# KiCad board DFTBoard.kicad_pcb (continued)
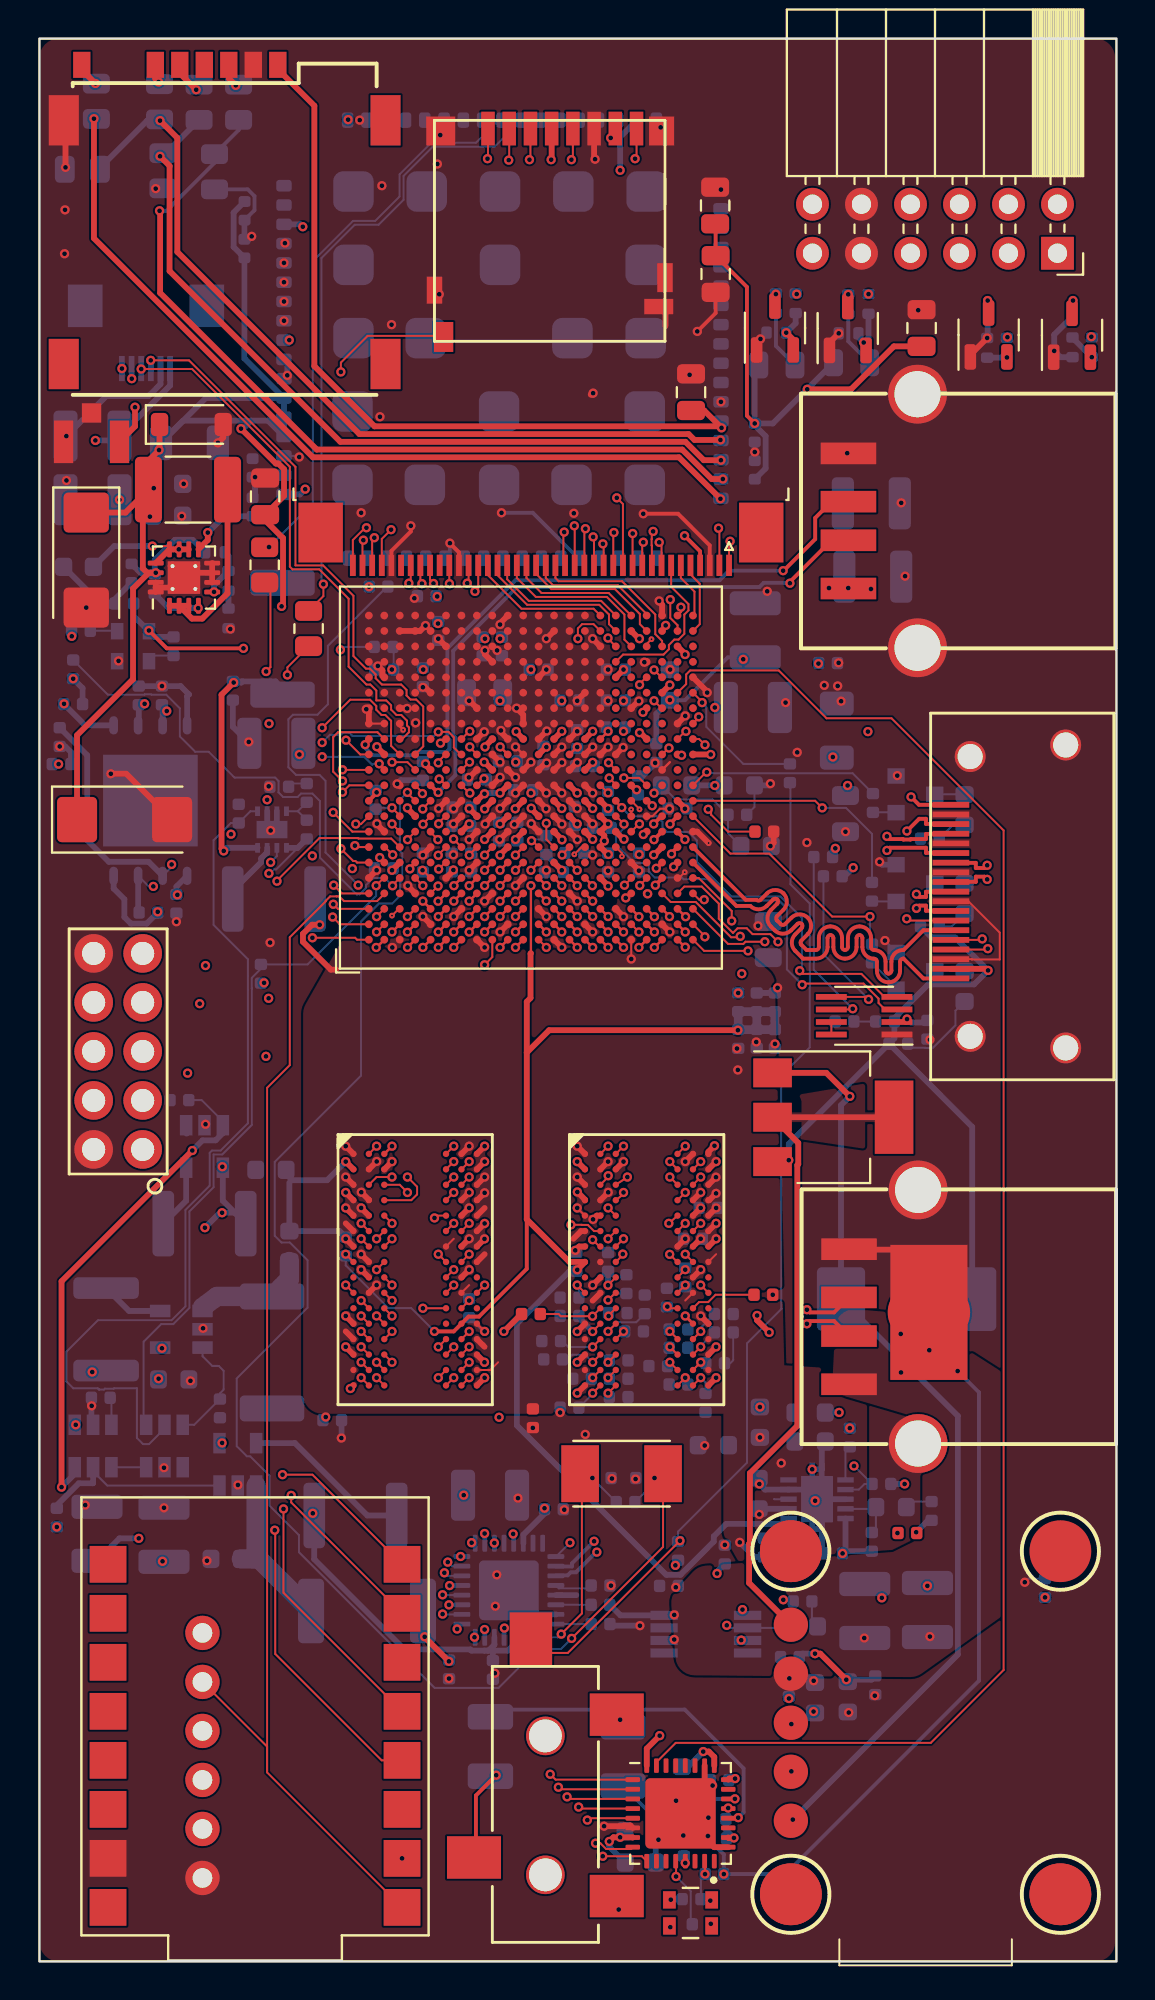
[diagram p0: board, top side]
## Routing (per net, layer and track width the routed paths; a pad name or vN(x,y) marks a point on that pad's centre or on a via; arc(x,y) is an arc through that point) (continued)
HPCOM_N: length 17.2
  TOP_GND w0.2: U9.20 36.19,7.42 v1(36.22,7.45)
  BOTTOM w0.2: v1(36.22,7.45) 36.5,7.73 36.5,10 33.45,13.05 23.75,13.05
HPCOM_P: length 6.9
  TOP_GND w0.2: U9.22 36.05,8.42 v1(36.05,8.43)
  BOTTOM w0.2: C49.1 31.49,7.85 33.7,7.85 34.28,8.43 v1(36.05,8.43)
HS: length 33.1
  TOP_GND w0.102: v1(20.43,71.41) 20.25,71.59 20.25,72.35 ; v3(30.19,57.27) 30.19,57.43 U20.U7
  GND0 w0.102: v3(30.19,57.27) 30.19,56.85 30.72,56.32 30.72,55.58 31.38,54.92 32.35,54.92 34.27,56.85 34.27,61.39 34.22,61.45 34.21,61.46 34.21,61.46 34.2,61.47 34.2,61.8 34.26,61.86 34.26,62.37 31.47,65.17 31.47,65.48 31.24,65.71 30.99,65.71 30.77,65.93 23.47,65.93 21.23,68.18 21.23,69.33 20.23,70.33 20.23,71.21 v1(20.43,71.41)
I2C5_HDMI_SCLK: length 19.8
  TOP_GND w0.102: v1(48.87,52.99) 48.82,52.94 J9.15 ; v1(42.16,49.37) 42.12,49.34 U21.6
  SIGNAL1 w0.102: v1(42.16,49.37) 42.16,49.59 45.5,52.94 48.81,52.94 v1(48.87,52.99)
  BOTTOM w0.102: v1(42.16,49.37) 40.14,51.39 R83.2
I2C5_HDMI_SDA: length 18.5
  TOP_GND w0.102: v1(49.16,52.49) 49.11,52.44 J9.16 ; U21.5 42.85,49.99 v1(42.98,49.86)
  SIGNAL1 w0.102: v1(49.16,52.49) 45.86,52.49 43.23,49.86 v1(42.98,49.86)
  BOTTOM w0.102: v1(42.98,49.86) 42.98,49.86 40.64,52.2 R82.2
I2C33_HDMI_SCLK: length 21.5
  TOP_GND w0.102: 29.89,59.35 v1(30.3,58.94) ; 43.83,49.34 43.5,49.67 43.5,49.89 42.72,50.68 39.6,50.68 v1(39.54,50.62)
  BOTTOM w0.102: v1(39.54,50.62) 38.74,51.41 38.74,54.57 38.33,54.99 35.73,54.99 34.63,56.08 33.39,56.08 33.3,56.17 31.9,56.17 31.58,56.49 31.58,56.81 31.47,56.93 30.84,56.93 29.89,57.88 29.89,58.3 30.3,58.72 v1(30.3,58.94)
I2C33_HDMI_SDA: length 20.7
  TOP_GND w0.102: 43.8,49.99 42.6,51.18 39.57,51.18 v1(39.41,51.34) ; 29.88,60.1 v1(30.18,59.8)
  BOTTOM w0.102: v1(30.18,59.8) 30.64,59.34 32,59.34 32.29,59.05 32.29,58.78 32.54,58.53 33.64,58.53 34.08,58.1 34.08,56.98 35.87,55.19 38.41,55.19 39.52,54.08 39.52,51.46 v1(39.41,51.34)
I2C33_SCLK: length 104.2
  TOP_GND w0.102: v1(18.3,55.75) 18.3,55.78 U20.C5 ; v1(28.83,6.12) 29.07,6.12 29.37,5.82 30.66,5.82 30.75,5.92
  SIGNAL2 w0.102: v1(28.83,6.12) 29.3,6.6 29.45,6.6 34.78,11.93 34.78,12.29 37.93,15.44 37.93,22.15 40.45,24.67 40.45,48.83 38.42,50.85 37.39,50.85 33.7,54.54 30.16,54.54 29.93,54.78 29.93,55.84 29.64,56.12 29.22,56.12 29.08,56.27 29.08,57.5 28.84,57.73 26.91,57.73 26.86,57.69 25.34,57.69 25.3,57.73 22.11,57.73 21.89,57.5 21.89,56.73 21.88,56.73 21.88,56.39 21.64,56.15 18.7,56.15 v1(18.3,55.75)
  BOTTOM w0.102: v1(18.3,55.75) 17.91,56.14 17.29,56.14 16.93,55.77 16.93,55.62 16.6,55.3 16.44,55.3 14.54,57.21 14.54,60.14 14.15,60.52 13.56,60.52 13.38,60.35 12.63,60.35 12.39,60.58 12.39,61.18 12.22,61.35 10.11,61.35 8.78,62.69 8.08,62.69 7.28,63.49 7.28,64.94 6.57,65.65 5.81,65.65 5.79,65.67 5.46,65.67 5.44,65.65 3.55,65.65 R103.2
I2C33_SDA: length 87.6
  TOP_GND w0.102: v1(15.63,57.67) 16.27,57.03 16.38,57.03 16.46,56.95 U20.A6 ; v1(29.2,5.45) 31.22,5.45 U9.9
  SIGNAL2 w0.102: 40.65,21.8 38.95,20.1 38.95,15.35 34.8,11.2 34.8,9.58 30.68,5.45 v1(29.2,5.45) ; 40.65,21.8 40.65,48.95 38.53,51.08 37.47,51.08 36.57,51.98 36.57,51.98 36.34,52.21 36.34,52.21 33.81,54.74 31.53,54.74 30.72,55.55 30.72,56.08 29.93,56.88 29.93,57.98 29.34,58.56 27.9,58.56 27.88,58.53 24.45,58.53 24.43,58.55 21.64,58.55 21.63,58.56 21.3,58.56 21.28,58.54 16.5,58.54 v1(15.63,57.67) ; 40.65,21.8 41.05,22.2 v1(44.47,22.2)
I2S_ADCSD: length 79.7
  TOP_GND w0.102: v1(28.4,7.33) 28.5,7.42 30.75,7.42 ; U20.AB15 34.18,64.45 v1(34.18,64.5)
  SIGNAL4 w0.102: v1(34.18,64.5) 42.9,64.5 47.15,60.25 47.15,49.31 43.87,46.03 43.87,45.2 43.62,44.95 43.62,20.65 35.5,12.52 35.01,12.52 34.78,12.29 34.78,11.81 30.38,7.4 28.48,7.4 v1(28.4,7.33)
I2S_BCLK: length 78.2
  TOP_GND w0.102: U20.AA13 33.24,62.55 v1(33.28,62.51) ; v1(26.9,9.03) 27.01,8.92 30.75,8.92
  SIGNAL4 w0.102: v1(33.28,62.51) 33.77,62.03 34.43,62.03 34.43,62.03 34.75,62.03 34.76,62.03 41.39,62.03 44.57,58.84 44.57,58.42 44.8,58.19 44.95,58.19 46.4,56.74 46.4,49.43 42.82,45.84 42.82,20.71 35.25,13.13 34.76,13.13 30.65,9.03 v1(26.9,9.03)
I2S_DACSD: length 78.8
  TOP_GND w0.102: v1(27.95,8) 28.03,7.92 30.75,7.92 ; U20.AA14 33.47,63.75 v1(33.51,63.75)
  SIGNAL4 w0.102: v1(33.51,63.75) 33.71,63.55 41.3,63.55 46.81,58.04 46.81,49.26 43.22,45.68 43.22,20.54 35.42,12.73 34.93,12.73 34.58,12.38 34.58,11.89 30.69,8 v1(27.95,8)
I2S_LRCLK: length 77.9
  TOP_GND w0.102: 30.75,8.42 27.46,8.42 v1(27.35,8.53) ; v1(34.5,63.05) 34.2,63.35 U20.AB14
  SIGNAL4 w0.102: v1(34.5,63.05) 34.5,63.05 41.05,63.05 46.61,57.49 46.61,49.35 43.02,45.76 43.02,20.62 35.33,12.93 34.85,12.93 34.38,12.46 34.38,11.98 30.93,8.53 v1(27.35,8.53)
I2S_MCLK: length 79
  TOP_GND w0.102: v1(32.63,62.88) 32.61,62.88 U20.Y13 ; v1(26.48,9.7) 26.76,9.42 30.75,9.42
  SIGNAL4 w0.102: v1(26.48,9.7) 30.11,13.34 35.16,13.34 42.61,20.79 42.61,45.93 45.85,49.17 45.85,56.95 44.82,57.98 44.72,57.98 44.37,58.33 44.37,58.43 42.25,60.55 34.69,60.55 32.63,62.61 v1(32.63,62.88)
INIT_B: length 0.6
  TOP_GND w0.13: U20.T14 v1(29.47,63.75)
JD_HOUT: length 7.2
  TOP_GND w0.102: v1(34.35,65.24) 34.35,65.28 U20.AB17
  BOTTOM w0.102: R31.1 36.49,62.06 34.57,63.98 34.57,65.02 v1(34.35,65.24)
LCD_D0: length 3.3
  TOP_GND w0.102: 33.75,71.88 34.23,71.4 34.23,69.3 U20.AB21
LCD_D1: length 2.8
  TOP_GND w0.102: 33.25,72.35 33.25,71.7 33.95,70.99 33.95,69.83
LCD_D2: length 8.3
  TOP_GND w0.102: U20.U19 30.25,67.73 32.35,67.73 32.63,68 32.63,68.23 32.91,68.5 33.13,68.5 33.43,68.8 33.43,69.8 33.64,70.02 33.64,70.34 32.75,71.24 32.75,72.35
LCD_D3: length 8.4
  TOP_GND w0.102: 31.47,68.28 v2(31.72,68.53) ; v1(32.12,73.54) 32.25,73.42 32.25,72.35
  SIGNAL1 w0.102: v1(32.12,73.54) 33.64,72.03 33.64,69.87 32.3,68.53 v2(31.72,68.53)
LCD_D4: length 43.4
  TOP_GND w0.102: 30.68,56.13 v1(30.33,55.78) ; v1(31.81,74.11) 31.74,74.04 31.74,73.72 31.73,73.71 31.73,73.38 31.75,73.37 31.75,72.35
  GND0 w0.102: v1(31.81,74.11) 31.73,74.03 31.73,73.38 36.09,69.02 36.09,67.32 36.28,67.13 36.28,53.71 34.73,52.17 32.81,52.17 32.02,52.96 31.71,52.96 31.48,53.19 31.48,53.5 31.24,53.74 29.33,53.74 29.08,53.99 29.08,54.3 28.84,54.54 28.53,54.54 28.27,54.8 28.27,55.11 28.04,55.34 27.73,55.34 27.48,55.59 27.48,56.7 27.24,56.94 26.86,56.94 26.7,57.1 26.7,57.52 26.91,57.73 28.83,57.73 29.07,57.5 29.07,57.23 29.32,56.97 29.58,56.97 30.33,56.23 v1(30.33,55.78)
LCD_D5: length 26.7
  TOP_GND w0.102: v1(35.88,53.93) 35.88,54.44 34.17,56.15 U20.AB5 ; v1(31.3,73.55) 31.25,73.5 31.25,72.35
  GND0 w0.102: v1(35.88,53.93) 35.88,67.47 33.85,69.5 32.76,69.5 32.13,70.13 32.06,70.13 31.3,70.89 v1(31.3,73.55)
LCD_D6: length 29.3
  TOP_GND w0.102: v1(30.75,74) 30.75,74 30.75,72.35 ; U20.AB4 34.2,55.02 v1(34.46,55.02)
  GND0 w0.102: v1(34.46,55.02) 34.1,54.67 34.1,52.94 34.33,52.71 34.65,52.71 35.49,53.54 35.49,54.09 35.65,54.25 35.65,66.1 32.95,68.8 32.35,68.8 30.75,70.39 v1(30.75,74)
LCD_D7: length 38.7
  TOP_GND w0.102: v1(38.28,52.84) 37.89,53.24 36.97,53.24 36.66,53.54 36.19,53.54 35.96,53.31 35.94,53.31 35.21,54.04 35.21,54.82 34.33,55.7 33.43,55.7 U20.AA4 ; v1(29.93,75.85) 30.25,75.53 30.25,72.35
  GND0 w0.102: v1(29.93,75.85) 32.33,75.85 38.28,69.89 v1(38.28,52.84)
LCD_D8: length 32.8
  TOP_GND w0.102: v1(36.33,53.13) 36.28,53.08 35.85,53.08 34.02,54.9 32.72,54.9 U20.Y4 ; 29.75,72.35 29.75,74.02 v1(29.78,74.05)
  GND0 w0.102: v1(29.78,74.05) 30.25,74.53 31.95,74.53 35.22,71.26 35.22,70.48 36.88,68.82 36.88,67.23 36.48,66.83 36.48,53.28 v1(36.33,53.13)
LCD_D9: length 26.8
  TOP_GND w0.102: v1(29.21,73.47) 29.25,73.43 29.25,72.35 ; v1(34.49,53.1) 34.49,53.13 U20.AB2
  GND0 w0.102: v1(34.49,53.1) 35.29,53.89 35.29,54.17 35.4,54.29 35.4,65.72 34.97,66.15 34.05,66.15 32.05,68.15 30.47,68.15 29.21,69.42 v1(29.21,73.47)
LCD_D10: length 7.7
  TOP_GND w0.102: v1(28.7,73.83) 28.75,73.78 28.75,72.35 ; v1(29.47,68.58) 29.47,68.55 U20.U20
  GND0 w0.102: v1(28.7,73.83) 28.7,69.35 v1(29.47,68.58)
LCD_D11: length 9.6
  TOP_GND w0.102: 28.25,72.35 28.25,74.2 v1(28.3,74.25) ; U20.AA21 33.08,69.25 32.7,69.63 v1(32.7,70.58)
  SIGNAL1 w0.102: v1(32.7,70.58) 29.03,74.25 v1(28.3,74.25)
LCD_D12: length 12.5
  TOP_GND w0.102: v1(27.73,74.4) 27.75,74.38 27.75,72.35 ; U20.AA22 33.25,69.92 v1(33.25,70.18)
  SIGNAL1 w0.102: v1(27.73,74.4) 27.73,70.53 28.52,69.73 32.79,69.73 v1(33.25,70.18)
LCD_D13: length 11.4
  TOP_GND w0.102: 27.16,72.44 27.16,74.03 v1(27.2,74.08) ; v1(32.46,69.24) 32.46,69.13 U20.Y21
  SIGNAL1 w0.102: v1(27.2,74.08) 27.2,70.45 28.34,69.32 32.38,69.32 v1(32.46,69.24)
LCD_D14: length 8.4
  TOP_GND w0.102: 26.75,72.35 26.75,71.7 26.91,71.53 30.2,71.53 31.92,69.8 31.92,68.79 32.28,68.43 U20.Y20
LCD_D15: length 6.7
  TOP_GND w0.102: 26.25,72.35 26.25,71.7 26.62,71.32 29.98,71.32 31.47,69.83
LCD_D16: length 7.3
  TOP_GND w0.102: 25.75,71.91 26.53,71.12 29.83,71.12 31.12,69.83 31.12,69.3 U20.W21
LCD_D17: length 6.9
  TOP_GND w0.102: U20.V22 29.51,70.92 26.45,70.92 26.03,70.92 25.25,71.7 25.25,72.35
LCD_D18: length 8.8
  TOP_GND w0.102: 24.75,72.35 24.75,71.7 25.73,70.71 29.41,70.71 30.32,69.8 30.32,68.5 U20.V20
LCD_D19: length 7.1
  TOP_GND w0.102: U20.U22 29.11,70.51 25.36,70.51 24.25,71.63 24.25,72.35
LCD_D20: length 8.1
  TOP_GND w0.102: 23.75,72.35 23.75,71.84 25.28,70.31 29.02,70.31 29.52,69.8 29.52,69.3 U20.U21
LCD_D21: length 7.2
  TOP_GND w0.102: U20.T22 28.72,70.1 24.99,70.1 23.25,71.84 23.25,72.35
LCD_D22: length 9.7
  TOP_GND w0.102: U20.T21 28.72,69.3 28.13,69.3 27.91,69.08 v1(27.91,68.55) ; 22.75,72.35 22.75,71.17 v1(22.58,71)
  GND0 w0.102: v1(22.58,71) 25.46,71 v1(27.91,68.55)
LCD_D23: length 40.5
  TOP_GND w0.102: v1(22.18,71.43) 22.25,71.5 22.25,72.35 ; v1(36.73,52.37) 34.45,52.37 U20.AB1
  GND0 w0.102: v1(22.18,71.43) 26.19,75.44 31.44,75.44 33.05,73.83 33.05,73.72 37.1,69.67 37.1,54.22 36.73,53.85 v1(36.73,52.37)
LEDA: length 17.3
  TOP_GND w0.102: 35.25,72.35 35.25,74.23 v1(35.2,74.28) ; v1(29.5,62.13) U20.U12
  SIGNAL2 w0.102: v1(29.5,62.13) 30.1,62.13 35.2,67.22 v1(35.2,74.28)
LEDK: length 16.7
  TOP_GND w0.102: v1(35.8,73.6) 35.75,73.55 35.75,72.35 ; 29.88,60.99 v1(29.53,61.33)
  SIGNAL2 w0.102: v1(35.8,73.6) 35.8,67.5 29.63,61.33 v1(29.53,61.33)
Pclk: length 37
  TOP_GND w0.102: v1(21.25,71.4) 21.25,71.41 21.25,72.35 ; U20.R7 28.1,57.75 v2(27.73,57.37)
  GND0 w0.102: v2(27.73,57.37) 28.05,57.37 29.07,56.36 29.07,55.46 29.97,54.55 32.28,54.55 35.08,57.35 35.08,60.44 34.97,60.55 34.85,60.55 34.62,60.78 34.62,61.1 34.85,61.33 34.97,61.33 35.19,61.56 35.19,62.91 33.96,64.14 33.31,64.14 32.28,65.18 32.28,65.55 31.27,66.56 30.94,66.56 30.91,66.53 23.95,66.53 22.7,67.78 22.7,69.95 v1(21.25,71.4)
PROGRAM_B: length 0.6
  TOP_GND w0.102: v1(29.47,60.56) 29.47,60.56 U20.T11
PWRKEY: length 119.4
  TOP_GND w0.102: U14.8 17.74,10.42 12.22,15.94 12.22,22.32 v1(12.2,22.35) ; 32.24,66.55 v1(31.86,66.93)
  SIGNAL1 w0.102: v1(12.2,22.35) 11.49,22.35 0.81,33.02 0.81,57.61 10.75,67.55 30.58,67.55 31.2,66.93 v1(31.86,66.93) 31.86,67.01 42.53,77.68 47.5,77.68 49.38,79.55 49.38,83.38 v1(50.18,84.18)
RST: length 30.3
  TOP_GND w0.102: 17.75,72.35 17.75,73.72 v1(18.23,74.2) ; v1(31.3,58.4) 31.33,58.4 U20.W8
  GND0 w0.102: v1(18.23,74.2) 18.23,67.85 19.23,66.85 19.23,66.13 22.02,63.33 30.39,63.33 31.52,62.2 31.52,61.73 33.05,60.2 33.05,59.57 32.82,59.33 32.52,59.33 32.23,59.04 32.23,58.79 32,58.56 31.46,58.56 v1(31.3,58.4)
SCL: length 28.2
  TOP_GND w0.102: 16.75,72.35 16.75,73.61 v1(16.79,73.66) ; v1(31.76,59.89) 31.73,59.89 U20.W10
  GND0 w0.102: v1(31.76,59.89) 31.47,60.19 31.47,61.21 30.94,61.73 26.47,61.73 26.45,61.72 26.13,61.72 26.08,61.76 22.13,61.76 21.38,62.51 19.71,62.51 18.52,63.7 18.52,63.87 16.38,66.02 16.38,73.05 16.79,73.47 v1(16.79,73.66)
SD_CD: length 28.8
  TOP_GND w0.102: v1(15.89,63.29) 16.63,62.55 U20.A13 ; 20.89,84.24 17.01,84.24 15.62,82.86 v1(15.62,82.38)
  SIGNAL4 w0.102: v1(15.89,63.29) 15.78,63.41 15.78,64.6 15.6,64.78 v1(15.6,67.98) 15.6,82.35 v1(15.62,82.38)
  BOTTOM w0.102: R99.2 15.75,68.13 v1(15.6,67.98)
SD_CLK: length 28.1
  TOP_GND w0.102: v1(27.58,93.38) 27.65,93.45 J8.5
  SIGNAL1 w0.102: v1(17.08,71.24) 17.09,71.24 27.58,81.73 v1(27.58,93.38)
SD_CMD: length 45.1
  TOP_GND w0.102: U20.E9 19.88,58.96 v1(19.88,58.93) ; J8.3 25.45,93.43 v1(25.4,93.38)
  SIGNAL4 w0.102: v1(19.88,58.93) 20.3,59.35 20.3,59.92 20.52,60.14 20.92,60.14 21.28,60.5 21.28,62.09 20.85,62.51 19.32,62.51 19.25,62.44 19,62.44 18.82,62.62 18.82,62.65 17.85,63.63 16.88,63.63 16.23,64.28 16.23,84.2 v1(25.4,93.38)
SD_D0: length 56.5
  TOP_GND w0.102: U20.A7 16.43,57.75 v1(16.35,57.83)
  SIGNAL4 w0.102: v1(29.61,94.5) 22.85,94.5 9.64,81.29 9.64,78.54 9.5,78.39 9.5,58.28 9.75,58.03 10.09,58.03 10.27,58.2 15.98,58.2 v1(16.35,57.83)
SD_D1: length 52.5
  TOP_GND w0.102: J8.8 30.95,93.5 v1(30.88,93.43) ; U20.E10 19.87,59.74 v1(19.87,59.73)
  SIGNAL4 w0.102: v1(19.87,59.73) 18.84,58.7 18.75,58.7 18.6,58.55 17.35,58.55 16.54,59.37 16.07,59.37 15.25,60.18 15.25,67.72 15.13,67.84 15.13,68.19 15.31,68.37 15.31,82.13 15.23,82.21 15.23,84.83 24.51,94.11 29.51,94.11 30.19,93.43 v1(30.88,93.43)
SD_D2: length 41.3
  TOP_GND w0.102: v1(23.23,93.43) 23.25,93.45 J8.1 ; U20.A8 16.22,58.55 v1(15.22,59.55)
  SIGNAL4 w0.102: v1(15.22,59.55) 15.05,59.72 15.05,67.64 14.93,67.75 14.93,68.27 15.05,68.39 15.05,71.15 15.11,71.21 15.11,71.54 15.05,71.6 15.05,82.11 15.03,82.13 15.03,85.23 v1(23.23,93.43)
SD_D3: length 44.9
  TOP_GND w0.102: v1(24.33,93.35) 24.35,93.38 J8.2 ; U20.F11 20.75,61.28 v1(20.72,61.28)
  SIGNAL4 w0.102: v1(20.72,61.28) 20.27,60.83 20.27,60.36 20.03,60.12 19.71,60.12 19.48,59.89 19.48,59.62 19.45,59.6 19.45,59.6 19.22,59.37 17.32,59.37 16.1,60.59 16.1,62.94 16.28,63.13 16.28,63.45 16.02,63.72 16.02,84.85 24.33,93.16 v1(24.33,93.35)
SDA: length 30.7
  TOP_GND w0.102: v1(30.29,61.33) 31.09,61.33 U20.W11 ; v1(16.95,74.3) 16.88,74.3 16.25,73.67 16.25,72.35
  GND0 w0.102: v1(16.95,74.3) 16.62,74.3 16.17,73.85 16.17,65.11 19.61,61.68 20.88,61.68 21.6,60.96 22.83,60.96 22.88,60.91 23.23,60.91 23.46,60.68 23.46,60.35 23.66,60.16 29.96,60.16 30.3,60.5 30.3,61.33 v1(30.29,61.33)
STATLED_0: length 10.1
  TOP_GND w0.102: U20.AB11 34.56,61.63 v1(34.59,61.63)
  BOTTOM w0.102: v1(34.59,61.63) 34.65,61.58 42.15,61.58 R77.2
STATLED_1: length 12.5
  TOP_GND w0.102: U20.AB10 40.21,60.15 v1(40.58,59.78)
  BOTTOM w0.102: R79.2 43.16,58.43 41.81,59.78 v1(40.58,59.78)
STATLED_2: length 12.7
  TOP_GND w0.102: U20.AB9 35.81,57.41 37.83,57.41 41.09,54.15 v1(43.05,54.15)
  BOTTOM w0.102: 43.05,52.83 v1(43.05,54.15)
T_INT: length 33.1
  TOP_GND w0.102: U20.D11 19.85,60.58 v1(19.85,60.53)
  GND0 w0.102: v1(19.85,60.53) 19.52,60.19 18.43,60.19 15.05,63.58 15.05,64.65 14.26,65.43 14.26,78.46 10.7,82.03 v1(4.78,82.03)
T_RST: length 32.2
  TOP_GND w0.102: v1(18.28,62.15) 19.08,62.15 U20.D12
  GND0 w0.102: v1(18.28,62.15) 18.28,62.72 15.12,65.87 15.12,78.45 10.18,83.4 5.13,83.4 v1(4.28,82.55)
T_SCL: length 28
  TOP_GND w0.102: v1(5.28,82.53) 7.91,82.53 12.98,77.46 12.98,72.28 13.12,72.14 14.5,72.14 16.03,70.62 16.03,67.1 16.95,66.18 17.15,66.18 17.46,65.86 17.46,65.35 17.97,65.35 18.23,65.1 18.23,64.88 18.51,64.6 18.76,64.6 19.05,64.3 19.05,64.05 19.15,63.95 19.15,63.7 18.8,63.35
T_SDA: length 29.3
  TOP_GND w0.102: v1(5.77,82.98) 7.75,82.98 13.27,77.45 13.27,72.35 14.7,72.35 16.28,70.77 16.28,67.65 16.93,67 17.13,67 17.43,66.7 17.43,66.5 17.75,66.18 18.75,66.18 19.03,65.9 19.03,65.6 19.23,65.4 19.53,65.4 19.89,65.03 19.89,62.97 U20.D13
TLV_RST#: length 84.6
  TOP_GND w0.102: U20.AA17 33.52,66.2 33.52,66.7 33.73,66.9 38.32,66.9 40.8,64.43 44.17,64.43 49.98,58.61 49.98,15.1 46.2,11.33 32.98,11.33 31.98,10.32
UART33_RX: length 71.1
  TOP_GND w0.102: U20.G7 21.47,58.16 v1(21.47,58.17)
  SIGNAL4 w0.102: v1(21.47,58.17) 21.09,58.54 18.97,58.54 18.93,58.5 18.85,58.5 18.68,58.32 17.91,58.32 16.86,57.28 15,57.28 14.57,57.71 12.08,57.71 9.08,54.7 9.08,18.43 10.33,17.17 10.33,13.8 ; v1(18.8,5.34) 10.33,13.8 ; 10.33,13.8 10.31,13.8 U17.4
UART33_TX: length 65.7
  TOP_GND w0.102: 11.8,9.88 11.8,9.8 U14.5 ; 11.8,9.88 11.8,45.28 12.98,46.45 12.98,53.08 14.84,54.94 14.84,54.97 15.07,55.2 15.4,55.2 15.54,55.2 15.79,54.95 17.5,54.95 17.88,55.33 ; 11.8,9.88 11.8,11.14 U17.5
USB0_CLK: length 54.7
  TOP_GND w0.102: U20.A9 16.67,58.95 v1(16.4,58.95)
  SIGNAL2 w0.102: v1(21.65,17.23) 20.78,17.23 19.05,18.95 19.05,24.56 9.94,33.66 9.94,58.41 v1(9.93,58.42)
  SIGNAL4 w0.102: v1(16.4,58.95) 15.29,58.95 15.04,59.2 10.71,59.2 v1(9.93,58.42)
  BOTTOM w0.102: 21.9,17.47 v1(21.65,17.23)
USB0_D0: length 49.6
  TOP_GND w0.102: v1(12.31,55.98) 12.31,56.01 14.51,58.22 16.51,58.22 16.54,58.19 18.23,58.19 U20.C7
  SIGNAL1 w0.102: v1(21.23,18.48) 20.86,18.48 12.5,26.84 12.5,52.5 12.55,52.55 12.55,53.05 12.31,53.29 v1(12.31,55.98)
  BOTTOM w0.102: U10.3 21.23,18.48 v1(21.23,18.48)
USB0_D1: length 57.8
  TOP_GND w0.102: v1(20.68,63.72) 21.2,63.72 21.48,63.45 21.48,62.91 21.84,62.55
  SIGNAL1 w0.102: v1(14.65,63.17) 14.65,62.94 14.53,62.82 14.49,62.82 14.26,62.59 14.26,62.55 12.71,61 12.71,57.28 12.73,57.26 12.73,57.01 12.73,57.01 12.73,56.69 12.71,56.67 12.71,53.18 12.76,53.13 12.76,52.47 12.71,52.43 12.71,27.19 v1(20.9,19)
  BOTTOM w0.102: v1(20.9,19) 20.91,18.98 U10.4 ; v1(20.68,63.72) 20.46,63.51 16.23,63.51 16.05,63.68 15.73,63.68 15.62,63.57 15.06,63.57 v1(14.65,63.17)
USB0_D2: length 51.5
  TOP_GND w0.102: 17.85,61.75 17.61,61.99 v1(17.61,62.07)
  SIGNAL1 w0.102: v1(21.26,19.48) 21.1,19.48 12.91,27.66 12.91,52.34 12.96,52.39 12.96,53.22 12.91,53.26 12.91,56.59 12.94,56.61 12.94,57.09 12.93,57.09 12.93,57.34 12.91,57.36 12.91,60.69 v1(14.65,62.43)
  BOTTOM w0.102: v1(14.65,62.43) 16.84,62.43 17.25,62.02 17.27,62.02 17.32,62.07 v1(17.61,62.07) ; U10.5 21.26,19.48 v1(21.26,19.48)
USB0_D3: length 53.6
  TOP_GND w0.102: v1(20.79,63.14) 20.86,63.14 U20.F14
  SIGNAL1 w0.102: v1(20.99,20.14) 13.12,28.01 13.12,52.26 13.16,52.3 13.16,53.3 13.12,53.35 13.12,56.5 13.14,56.53 13.14,57.17 13.14,57.18 13.14,60.22 15.46,62.54 18.45,62.54 18.78,62.87 18.82,62.87 18.83,62.88 18.83,62.89 18.83,62.9 19.07,63.14 v1(20.79,63.14)
  BOTTOM w0.102: v1(20.99,20.14) 21.15,19.98 U10.6
USB0_D4: length 47.5
  TOP_GND w0.102: v1(15.71,61.76) 15.72,61.75 U20.A12
  SIGNAL1 w0.102: v1(21.17,20.69) 13.32,28.54 13.32,52.17 13.37,52.22 13.37,53.38 13.32,53.43 13.32,56.42 13.34,56.44 13.34,57.26 13.34,57.26 13.34,59.39 v1(15.71,61.76)
  BOTTOM w0.102: v1(21.17,20.69) 21.38,20.48 U10.7
USB0_D5: length 49.8
  TOP_GND w0.102: v1(15.71,61.18) 15.23,61.66 15.23,63.45 15.48,63.7 17.52,63.7 U20.B14
  SIGNAL1 w0.102: v1(22.4,21.7) 13.54,30.56 13.54,52.11 13.57,52.13 13.57,53.47 13.57,53.47 13.57,56.31 13.55,56.33 13.55,57.34 13.54,57.34 13.54,59.22 15.5,61.18 v1(15.71,61.18)
  BOTTOM w0.102: v1(22.4,21.7) 22.43,21.67 U10.9
USB0_D6: length 58.3
  TOP_GND w0.102: 21.04,62.55 20.67,62.18 v1(20.67,62.12)
  SIGNAL2 w0.102: v1(23.08,22.18) 21.92,22.18 10.39,33.71 10.39,60.67 14.1,64.39 16.55,64.39 17.59,63.34 18.54,63.34 18.84,63.05 19.74,63.05 v1(20.67,62.12)
  BOTTOM w0.102: v1(23.08,22.18) 23.08,22.17 U10.10
USB0_D7: length 58.2
  TOP_GND w0.102: v1(14.65,63.93) 16.11,65.39 17.14,65.39 17.46,65.06 17.46,64.87 17.73,64.6 17.93,64.6 18.23,64.3 18.23,63.86 18.22,63.85 18.22,63.6 18.23,63.59 18.23,63 U20.C13
  SIGNAL2 w0.102: v1(24.55,22.15) 24,22.15 23.58,22.57 21.82,22.57 10.59,33.8 10.59,60.59 13.93,63.93 v1(14.65,63.93)
  BOTTOM w0.102: U10.13 24.58,22.12 v1(24.55,22.15)
USB0_dir: length 62.2
  TOP_GND w0.102: 20.28,58.52 v1(20.65,58.14)
  SIGNAL1 w0.102: v1(14.15,57.29) 14.39,57.29 17.12,54.56 18.72,54.56 19.51,55.35 20.03,55.35 20.27,55.59 20.27,57.75 v1(20.65,58.14)
  SIGNAL2 w0.102: v1(23.08,17.2) 23.08,20.53 23.3,20.75 24.71,20.75 25.45,21.49 25.45,21.81 24.42,22.85 21.83,22.85 10.79,33.88 10.79,53.91 14.15,57.26 v1(14.15,57.29)
  BOTTOM w0.102: v1(23.08,17.2) 23.08,17.19 U10.31
USB0_nxt: length 57.5
  TOP_GND w0.102: v1(20.69,58.96) 20.69,59 21.04,59.35
  SIGNAL1 w0.102: v1(20.9,18) 12.3,26.6 12.3,52.59 12.35,52.64 12.35,52.96 11.5,53.81 11.5,56.6 11.53,56.63 11.53,59.93 v1(11.8,60.2)
  SIGNAL2 w0.102: v1(11.8,60.2) 11.81,60.19 19.96,60.19 20.3,59.85 20.3,59.35 v1(20.69,58.96)
  BOTTOM w0.102: v1(20.9,18) 20.91,17.98 U10.2
USB0_RST: length 63.7
  TOP_GND w0.102: U20.D10 19.07,60.55 v1(19.07,60.59)
  BOTTOM w0.102: v1(19.07,60.59) 18.68,60.19 18.68,57.54 18.81,57.42 18.81,56.03 18.7,55.92 18.7,55.25 18.28,54.83 17.6,54.83 16.67,53.89 16.67,45.91 12.2,41.44 12.2,37.6 12.54,37.26 12.98,37.26 13.9,36.33 13.9,33.89 10.23,30.21 10.23,26.7 10.75,26.18 10.93,26.18 11.93,25.17 11.93,23.61 13.45,22.09 13.45,21.21 20.48,14.18 23.8,14.18 25.08,15.46 U10.27
USB0_stp: length 50.4
  TOP_GND w0.102: U20.A11 16.06,60.95 v1(15.71,60.59)
  SIGNAL1 w0.102: v1(15.71,60.59) 13.75,58.64 13.75,56.42 13.77,56.39 13.77,52.05 13.75,52.03 13.75,30.94 24.1,20.59 v1(24.1,17.28)
  BOTTOM w0.102: v1(24.1,17.28) 24.08,17.26 U10.29
USBD_D_N: length 75.1
  TOP_GND w0.102: U20.C8 v1(18.28,58.95)
  SIGNAL1 w0.102: v1(38.97,9.85) 40.7,9.85 44.08,13.23 44.08,18.99 43.87,19.19 43.87,45.41 37.35,51.93 36.62,51.93 34.2,54.35 33.92,54.35 33.51,54.75 31.52,54.75 30.72,55.55 30.72,56.23 29.91,57.04 29.91,58.34 29.71,58.54 28.07,58.54 28.06,58.54 26.16,58.54 25.88,58.82 25.88,59.13 25.65,59.36 25.34,59.36 25.05,59.65 25.05,59.9 24.81,60.14 23.26,60.14 23.26,60.15 23.23,60.12 22.91,60.12 22.88,60.14 22.11,60.14 22.08,60.17 18.93,60.17 18.65,60.45 18.65,60.63 18.15,60.63 18.12,60.65 17.68,60.2 17.68,59.55 v1(18.28,58.95)
USBD_D_P: length 74.5
  TOP_GND w0.102: U20.D8 19.08,58.16 v1(19.08,58.13)
  SIGNAL1 w0.102: v1(19.08,58.13) 19.08,58.69 19.72,59.33 20.48,59.33 20.5,59.35 22.9,59.35 22.91,59.34 23.24,59.34 23.26,59.35 24.56,59.35 24.59,59.32 24.78,59.32 25.01,59.09 25.01,58.89 25.42,58.48 25.68,58.48 26.42,57.73 27.71,57.73 29.08,56.36 29.08,55.57 30.11,54.54 32.84,54.54 33.1,54.28 33.1,53.98 33.33,53.74 34.41,53.74 43.27,44.88 43.27,20.33 43.27,20.29 43.3,20.23 43.35,20.18 43.41,20.15 43.45,20.15 43.48,20.15 43.55,20.12 43.6,20.07 43.62,20.01 43.62,19.98 43.62,19.73 43.62,19.69 43.6,19.63 43.55,19.58 43.48,19.55 43.45,19.55 42.57,19.55 42.53,19.55 42.44,19.52 42.36,19.46 42.3,19.39 42.27,19.3 42.27,19.25 42.27,19.2 42.3,19.11 42.36,19.04 42.44,18.98 42.53,18.95 42.57,18.95 42.97,18.95 43.02,18.95 43.11,18.92 43.19,18.86 43.24,18.79 43.27,18.7 43.27,18.65 43.27,18.6 43.24,18.51 43.19,18.44 43.11,18.38 43.02,18.35 42.97,18.35 42.57,18.35 42.53,18.35 42.44,18.32 42.36,18.26 42.3,18.19 42.27,18.1 42.27,18.05 42.27,18 42.3,17.91 42.36,17.84 42.44,17.78 42.53,17.75 42.57,17.75 43.55,17.75 43.6,17.75 43.7,17.71 43.78,17.63 43.82,17.53 43.82,17.48 43.82,17.43 43.82,17.37 43.78,17.27 43.7,17.19 43.6,17.15 43.55,17.15 43.49,17.15 43.39,17.11 43.32,17.03 43.27,16.93 43.27,16.88 43.27,16.83 43.27,16.77 43.32,16.67 43.39,16.59 43.49,16.55 43.55,16.55 43.6,16.55 43.7,16.51 43.78,16.43 43.82,16.33 43.82,16.28 43.82,16.23 43.82,16.17 43.78,16.07 43.7,15.99 43.6,15.95 43.55,15.95 42.57,15.95 42.53,15.95 42.44,15.92 42.36,15.86 42.3,15.79 42.27,15.7 42.27,15.65 42.27,15.6 42.3,15.51 42.36,15.44 42.44,15.38 42.53,15.35 42.57,15.35 42.97,15.35 43.02,15.35 43.11,15.32 43.19,15.26 43.24,15.19 43.27,15.1 43.27,15.05 43.27,15 40.58,12.3 v1(38.97,12.3)
USBH_CPEN: length 11.4
  SIGNAL1 w0.102: v1(36.44,18.23) 34.7,18.23 32.61,20.33 28.88,20.33 v1(27.5,21.7)
  BOTTOM w0.102: v1(27.5,21.7) 26.78,20.98
USBH_D_N: length 22.2
  TOP_GND w0.2: J6.2 41.19,33.18 39.92,33.18 v1(39.78,33.05)
  SIGNAL2 w0.2: v1(28.89,21.21) 30.06,21.21 36.1,27.26 36.1,29.46 39.69,33.05 v1(39.78,33.05)
  BOTTOM w0.2: 26.8,20.01 27.38,20.01 27.54,20.17 27.81,20.17 28.85,21.21 v1(28.89,21.21)
USBH_D_N1: length 30.3
  TOP_GND w0.2: v1(20.67,60.58) 20.64,60.58 U20.E11 ; v1(38.9,71.43) 38.9,71.5 41.05,73.65
  BOTTOM w0.2: v1(38.9,71.43) 38.88,71.45 37.54,71.45 37.32,71.23 24.75,71.23 21.45,67.92 21.45,63.53 21.56,63.42 21.56,61.47 v1(20.67,60.58)
USBH_D_P: length 22.5
  TOP_GND w0.2: J6.3 41.19,33.64 39.92,33.64 v1(39.78,33.78)
  SIGNAL2 w0.2: v1(28.75,21.78) 30.17,21.78 35.65,27.25 35.65,29.65 v1(39.78,33.78)
  BOTTOM w0.2: v1(28.75,21.78) 27.61,20.63 27.61,20.47 26.81,20.47
USBH_D_P1: length 34.2
  TOP_GND w0.2: v1(38.55,72.08) 38.58,72.08 40.21,73.71 40.21,74.81 41.05,75.65 ; v1(16.88,63.06) 16.88,63.16 U20.A14
  BOTTOM w0.2: v1(16.88,63.06) 16.88,62.89 17.27,62.51 19.37,62.51 19.54,62.68 21.09,62.68 21.26,62.84 21.26,63.29 21.15,63.4 21.15,68.05 24.68,71.58 35.25,71.58 35.75,72.08 v1(38.55,72.08)
USBH_FAULT: length 62.8
  TOP_GND w0.102: 17.91,57.75 v1(18.31,57.35)
  SIGNAL2 w0.102: v1(35.63,17.42) 34.22,18.83 29.5,18.83 24.9,23.43 21.83,23.43 11.25,34 11.25,52.65 15.62,57.02 16.04,57.02 16.06,57.03 16.38,57.03 16.95,57.6 18.06,57.6 v1(18.31,57.35)
  BOTTOM w0.102: v1(35.63,17.42) 35.76,17.29 U11.2 38.68,17.29
USBH_VBUS: length 3
  BOTTOM w0.3: R36.2 30.12,17.94 U11.8
  vias: v1(32.91,17.96) v1(32.9,16.68) v1(42.75,16.76) v1(46.16,16.84)
VMODE0: length 22.5
  TOP_GND w0.102: U20.D5 v1(19.87,55.75)
  GND0 w0.102: v1(19.87,55.75) 19.35,55.23 16.23,55.23 16.08,55.38 15.09,55.38 14.99,55.48 7.56,55.48 v1(0.99,62.05)
VMODE1: length 0.6
  TOP_GND w0.102: 20.27,56.15 19.87,56.55 v1(19.86,56.55)
VS: length 33
  TOP_GND w0.102: v1(19.83,71.4) 19.75,71.48 19.75,72.35 ; v2(30.67,59.7) 30.67,59.36
  GND0 w0.102: v1(19.83,71.4) 19.83,69.6 19.62,69.39 19.62,69.03 22.92,65.73 28.52,65.73 29.88,64.38 31.12,64.38 31.22,64.28 32.07,64.28 34,62.35 34,61.38 34.07,61.31 34.07,59.32 32.37,57.62 32.37,56.49 32.14,56.26 31.81,56.26 31.47,56.59 31.47,56.68 31.2,56.96 30.94,56.96 29.9,58 29.9,59.1 30.2,59.4 30.37,59.4 v2(30.67,59.7)
ZYNQ_POR: length 35.1
  TOP_GND w0.102: v1(17.46,55.75) 17.46,55.76 17.84,56.15
  BOTTOM w0.102: 11.48,51.44 11.01,50.97 11.01,50.43 11.01,50.43 11.01,43.35 9.48,41.82 9.03,41.82 9.03,40.12 7.77,38.86 7.77,33.86 6.94,33.03 6.31,33.03 5.4,32.12 5.4,28 ; v1(17.46,55.75) 17.46,55.23 13.9,51.67 R5.2
Net-(AE1-A): length 12
  TOP_GND w0.3: AE1.1 4.95,79.55 v1(4.95,80.55)
  SIGNAL2 w0.3: v1(4.95,80.55) 5.15,80.35 9.28,80.35 v1(12.95,84.03)
  BOTTOM w0.3: U13.60 v1(12.95,84.03)
Net-(D7-K): length 2.6
  BOTTOM w0.102: U8.9 43.27,23.45 ; D7.1 43.36,22.44
Net-(D8-A2): length 40
  TOP_GND w0.3: v1(49.15,86.08) 49.22,86 49.22,85.75
  SIGNAL2 w0.3: v1(49.15,86.08) 48.33,86.9 20.03,86.9 16,90.93 v1(16,95.45)
Net-(D9-A2): length 31.2
  TOP_GND w0.3: v1(53.58,86.08) 53.53,86.03 Q4.3
  SIGNAL2 w0.3: v1(30.1,92.83) 31.3,91.63 31.3,89.38 33.25,87.42 52.23,87.42 v1(53.58,86.08)
  BOTTOM w0.3: U13.16 30.1,94.55 v1(30.1,92.83)
Net-(D10-K): length 3.1
  BOTTOM w0.2: D10.2 38.18,83.72 R105.2
Net-(D11-K): length 3
  BOTTOM w0.2: R107.2 41.93,83.96 D11.2
Net-(L5-Pad1): length 9.7
  TOP_GND w0.3: L5.1 9.75,70.9 8.44,69.59 7.9,69.59 U6.2 ; U6.3 U6.1
Net-(Q1-D): length 35.1
  TOP_GND w0.3: U12.5 36.79,19.61 36.79,21.64 36.83,21.68 36.83,25.3 39.28,27.76 39.28,41.27 39.33,41.32 39.33,42.42 Q1.2 Q1.2
Net-(Q1-G): length 48.2
  TOP_GND w0.3: v1(42,44.83) 40.79,46.05 Q1.1
  BOTTOM w0.3: v1(42,44.83) 41.55,44.38 S8KC-13.2 47.61,28.27 47.61,15.91 v1(39.05,7.35)
Net-(Q2-B): length 1
  BOTTOM w0.3: R16.1 50.14,83.12
  vias: v1(50.15,83.13)
Net-(Q4-B): length 1.4
  BOTTOM w0.3: 53.55,84.14 v1(54.55,83.14)
Net-(Q6-B): length 1.8
  TOP_GND w0.3: 39.1,84.02 v1(38.71,84.41)
  BOTTOM w0.3: v1(38.71,84.41) 39.2,84.9 R44.2
Net-(Q6-C): length 0.3
  TOP_GND w0.3: 38.15,86.11 38.15,86.38 v1(38.18,86.41)
Net-(Q7-B): length 2.2
  BOTTOM w0.3: R87.1 42.45,84.18 v1(42.72,83.9) 42.97,84.15 R84.2
Net-(Q7-C): length 0.3
  TOP_GND w0.3: 41.93,86.09 v1(41.93,86.4)
Net-(R7-Pad2): length 0.8
  BOTTOM w0.102: R7.2 13.08,61.05
Net-(R27-Pad2): length 0.9
  BOTTOM w0.3: R27.2 R29.1
Net-(R34-Pad2): length 1.1
  BOTTOM w0.102: R81.1 R34.2
Net-(U1-EN): length 1.3
  BOTTOM w0.102: U1.3 3.73,29.15
Net-(U1-FLAG3): length 1.8
  BOTTOM w0.102: U1.4 U2.3
Net-(U5-FB): length 1.9
  BOTTOM w0.102: 13.39,59.61 R6.1 ; 13.39,59.61 R7.1 ; 13.39,59.61 U5.4
Net-(U5-SW): length 3
  BOTTOM w0.3: 10.02,55.49 11.49,56.96 11.49,57.16 11.78,57.45 11.79,57.45 11.81,57.46 U5.7
Net-(U6-FB): length 2.5
  TOP_GND w0.3: v1(9.05,70.98) 8.96,70.98 U6.5
  BOTTOM w0.3: v1(9.05,70.98) 9.05,71.31 R27.1 9.8,72.84 R24.1
Net-(U6-PG): length 2.7
  TOP_GND w0.3: U6.4 8.24,70.15 v1(8.23,70.13)
  BOTTOM w0.3: v1(8.23,70.13) 6.71,70.13 R23.1
Net-(U6-SS/TR): length 3.7
  TOP_GND w0.3: v1(8.73,74.05) 8.73,73.67 U6.9
  BOTTOM w0.3: C37.2 9.57,74.9 v1(8.73,74.05)
Net-(U8-REFOUT): length 1.5
  BOTTOM w0.102: 41.78,26.44 U8.6
Net-(U9-MIC1RM/LINE1RM): length 0.4
  BOTTOM w0.102: v1(33.47,5.1) 33.4,5.18 C45.2
Net-(U10A-VBUS): length 1.8
  BOTTOM w0.102: R36.1 U10.22
Net-(U10A-VDD33): length 1.7
  BOTTOM w0.102: 28.45,19.33 26.92,19.33 U10.20
Net-(U10C-RBIAS): length 1.8
  BOTTOM w0.102: R38.1 U10.24
Net-(U10D-REFCLK): length 14.7
  TOP_GND w0.102: v1(27.58,16.74) 32.33,21.48 Y1.1
  BOTTOM w0.102: R37.1 31.88,24.82 ; U10.26 25.58,16.29 25.68,16.19 27.04,16.19 v1(27.58,16.74)
  vias: v1(31.88,25.05)
Net-(U10D-XO): length 11.4
  TOP_GND w0.102: v1(27.05,16.96) 28.12,18.03 28.12,25.18
  BOTTOM w0.102: R37.2 28.66,25.04 ; U10.25 26.88,16.8 v1(27.05,16.96)
  vias: v1(28.66,25.05)
Net-(U13-RXD): length 32.7
  TOP_GND w0.102: v1(14.72,71.38) 14.72,70.76 R22.2
  BOTTOM w0.102: U13.10 23.6,94.05 20.39,94.05 18.87,92.53 18.87,91.3 17.58,90 16.34,90 14.62,88.28 14.62,71.48 v1(14.72,71.38)
Net-(U13-TXD): length 29.1
  BOTTOM w0.102: 23.8,95.43 22.63,94.25 20.3,94.25 18.67,92.62 18.67,91.47 17.4,90.2 16.26,90.2 14.17,88.11 14.17,75.57 v1(11.9,73.3)
Net-(U18-OE): length 1.4
  BOTTOM w0.102: U18.1 5.97,67.67 R98.1
Net-(U20F-PS_CLK_500): length 25.7
  TOP_GND w0.102: U20.F7 20.67,57.35 v1(20.67,57.33)
  GND0 w0.102: v1(20.67,57.33) 20.25,56.9 20.25,56.39 20.02,56.16 17.31,56.16 16.19,57.27 15.3,57.27 12.76,59.81 10.26,59.81 1.68,68.39 v1(1.68,68.68)
Net-(U20G-PS_MIO16_501): length 25.5
  TOP_GND w0.102: v1(19.2,56.62) 19.2,56.72 19.43,56.95
  SIGNAL1 w0.102: v1(16.52,55.78) 17.47,54.83 18.7,54.83 18.7,56.12 v1(19.2,56.62)
  BOTTOM w0.102: 18,71.23 14.95,68.18 14.95,65.15 14.41,64.61 13.14,64.61 12.9,64.37 12.9,61.89 13.3,61.49 14.52,61.49 14.83,61.18 14.83,57.47 v1(16.52,55.78)
Net-(U20G-PS_SRST_B_501): length 1.3
  TOP_GND w0.102: 18.68,59.39 v1(18.27,59.79)
  BOTTOM w0.102: v1(18.27,59.79) 17.5,59.79
Net-(U20H-PS_DDR_VRN_502): length 1.1
  TOP_GND w0.102: U20.M7 25.54,58.08 v1(25.5,58.08)
  BOTTOM w0.102: 26.09,58.15 25.57,58.15 v1(25.5,58.08)
Net-(U20H-PS_DDR_VRP_502): length 13.6
  TOP_GND w0.102: R76.1 35.69,58.55 34.81,59.43 34.81,59.56 v1(34.67,59.71) ; v1(26.28,58.98) 26.28,58.15 U20.N7
  SIGNAL1 w0.102: v1(26.28,58.98) 26.63,59.34 32.83,59.34 33.06,59.58 33.06,59.92 33.29,60.14 34.23,60.14 v1(34.67,59.71)
Net-(U21-EN): length 0.7
  TOP_GND w0.102: U21.8 U21.7

## Copper pours and planes (outline as drawn; the poured copper is in the pictures)
+1V0 on SIGNAL4: 46.37,65.58 42.67,69.78 35.06,69.41 33.33,65.9 33.12,66.18 33.28,66.18 33.25,66 33.27,65.68 32.47,65.98 22.37,64.18 22.07,63.88 22.07,57.98 22.47,57.58 28.87,57.58 29.78,57.91 30.56,58.86 30.74,61.88 33.99,60.23 40.94,57.65 41.99,59.61 46.77,58.21
+1V0 on SIGNAL4: 20.83,62.71 13.98,60.71 10.78,57.24 2.81,20.21 7.06,20.21 10.71,48.31 17.73,57.11 27.08,57.89 26.96,62.94
+1V8 on BOTTOM: 36.78,57.09 31.08,57.09 31.08,65.59 36.78,65.59
+1V8 on SIGNAL1: -2.14,98.18 44,98.18 43.96,5.78 35.96,5.8 36.06,34.08 23.86,34.08 23.85,5.82 -2.15,5.87
+1V8 on SIGNAL1: 26.62,60.53 20.38,60.48 22.65,59.43 26.65,57.83
+1V8 on SIGNAL2: 55.76,105.45 55.76,-11.55 -2.24,-11.55 -2.24,105.45
+1V35 on TOP_GND: 35.45,31.1 42.9,30.62 42.9,21.12 41.3,19.62 36.42,20.4 35.45,22.1
+1V35 on TOP_GND: 38.67,28.38 13.67,28.38 13.67,49.38 17.67,56.38 32.12,56.08 38.12,51.08
+1V35 on BOTTOM: 40.3,40.15 16.7,40.05 12.75,51.86 10.51,54.29 14.12,58.08 13.95,64.83 28.7,58.45 28.7,57.05 32.2,57.05 40.3,52.15
+1V35 on BOTTOM: 38.77,39.48 15.17,39.38 15.17,47.38 19.74,54.38 21.67,56.38 21.67,57.78 27.17,57.78 27.17,56.38 30.67,56.38 38.77,51.48
+3V3 on SIGNAL4: -2.14,-11.02 -2.14,105.98 55.86,105.98 55.86,-11.02
+5V on BOTTOM: -2.24,105.45 -2.24,-11.55 55.76,-11.55 55.76,105.45
+5V on BOTTOM: 27.7,23.19 27.7,20.29 29.2,20.29 29.2,23.19
/Power/1V8TOLX on BOTTOM: 38.68,57.54 36.78,57.54 36.78,62.64 38.68,62.64
/Power/VCCAUX on SIGNAL2: 15.77,61.78 21.47,61.78 23.07,60.28 27.27,60.31 27.27,59.31 15.77,59.28
/Power/VCCAUX on SIGNAL4: 29.27,59.38 24.99,59.38 24.77,59.48 24.27,59.98 24.47,60.18 24.47,60.88 24.67,61.08 28.77,61.08 29.27,60.58
GND on TOP_GND: -2.24,-11.55 -2.24,105.45 55.76,105.45 55.76,-11.55
GND on GND0: 55.76,-11.55 -2.24,-11.55 -2.24,105.45 55.76,105.45
GND on GND1: 55.76,-11.56 -2.24,-11.55 -2.24,105.44 55.76,105.44
GND on GND2: 55.76,-11.55 -2.24,-11.55 -2.24,105.45 55.76,105.45
GNDA on SIGNAL1: 55.76,105.45 55.76,-11.55 -2.24,-11.55 -2.24,105.45
DDR3_VTT on BOTTOM: 48.5,27.05 48.5,39.05 25.5,39.05 25.5,27.05
DDR3_VTT on BOTTOM: 24.16,38.21 47.38,38.21 47.88,18.61 36.33,19.26 35.83,26.99 24.18,27.26
USBH_VBUS on TOP_GND: 41.29,33.88 45.19,33.56 50.19,30.36 50.27,18.16 45.47,14.73 33.04,14.83 32.72,18.93 34.14,20.48 44.24,21.22 45.77,21.98 45.77,28.11 41.08,29.49
Net-(Q1-D) on TOP_GND: 36.97,44.53 45.35,45.93 45.4,41.73 36.97,42.98
